# KiCad board Duet3_MB_6HC.kicad_pcb (continued)
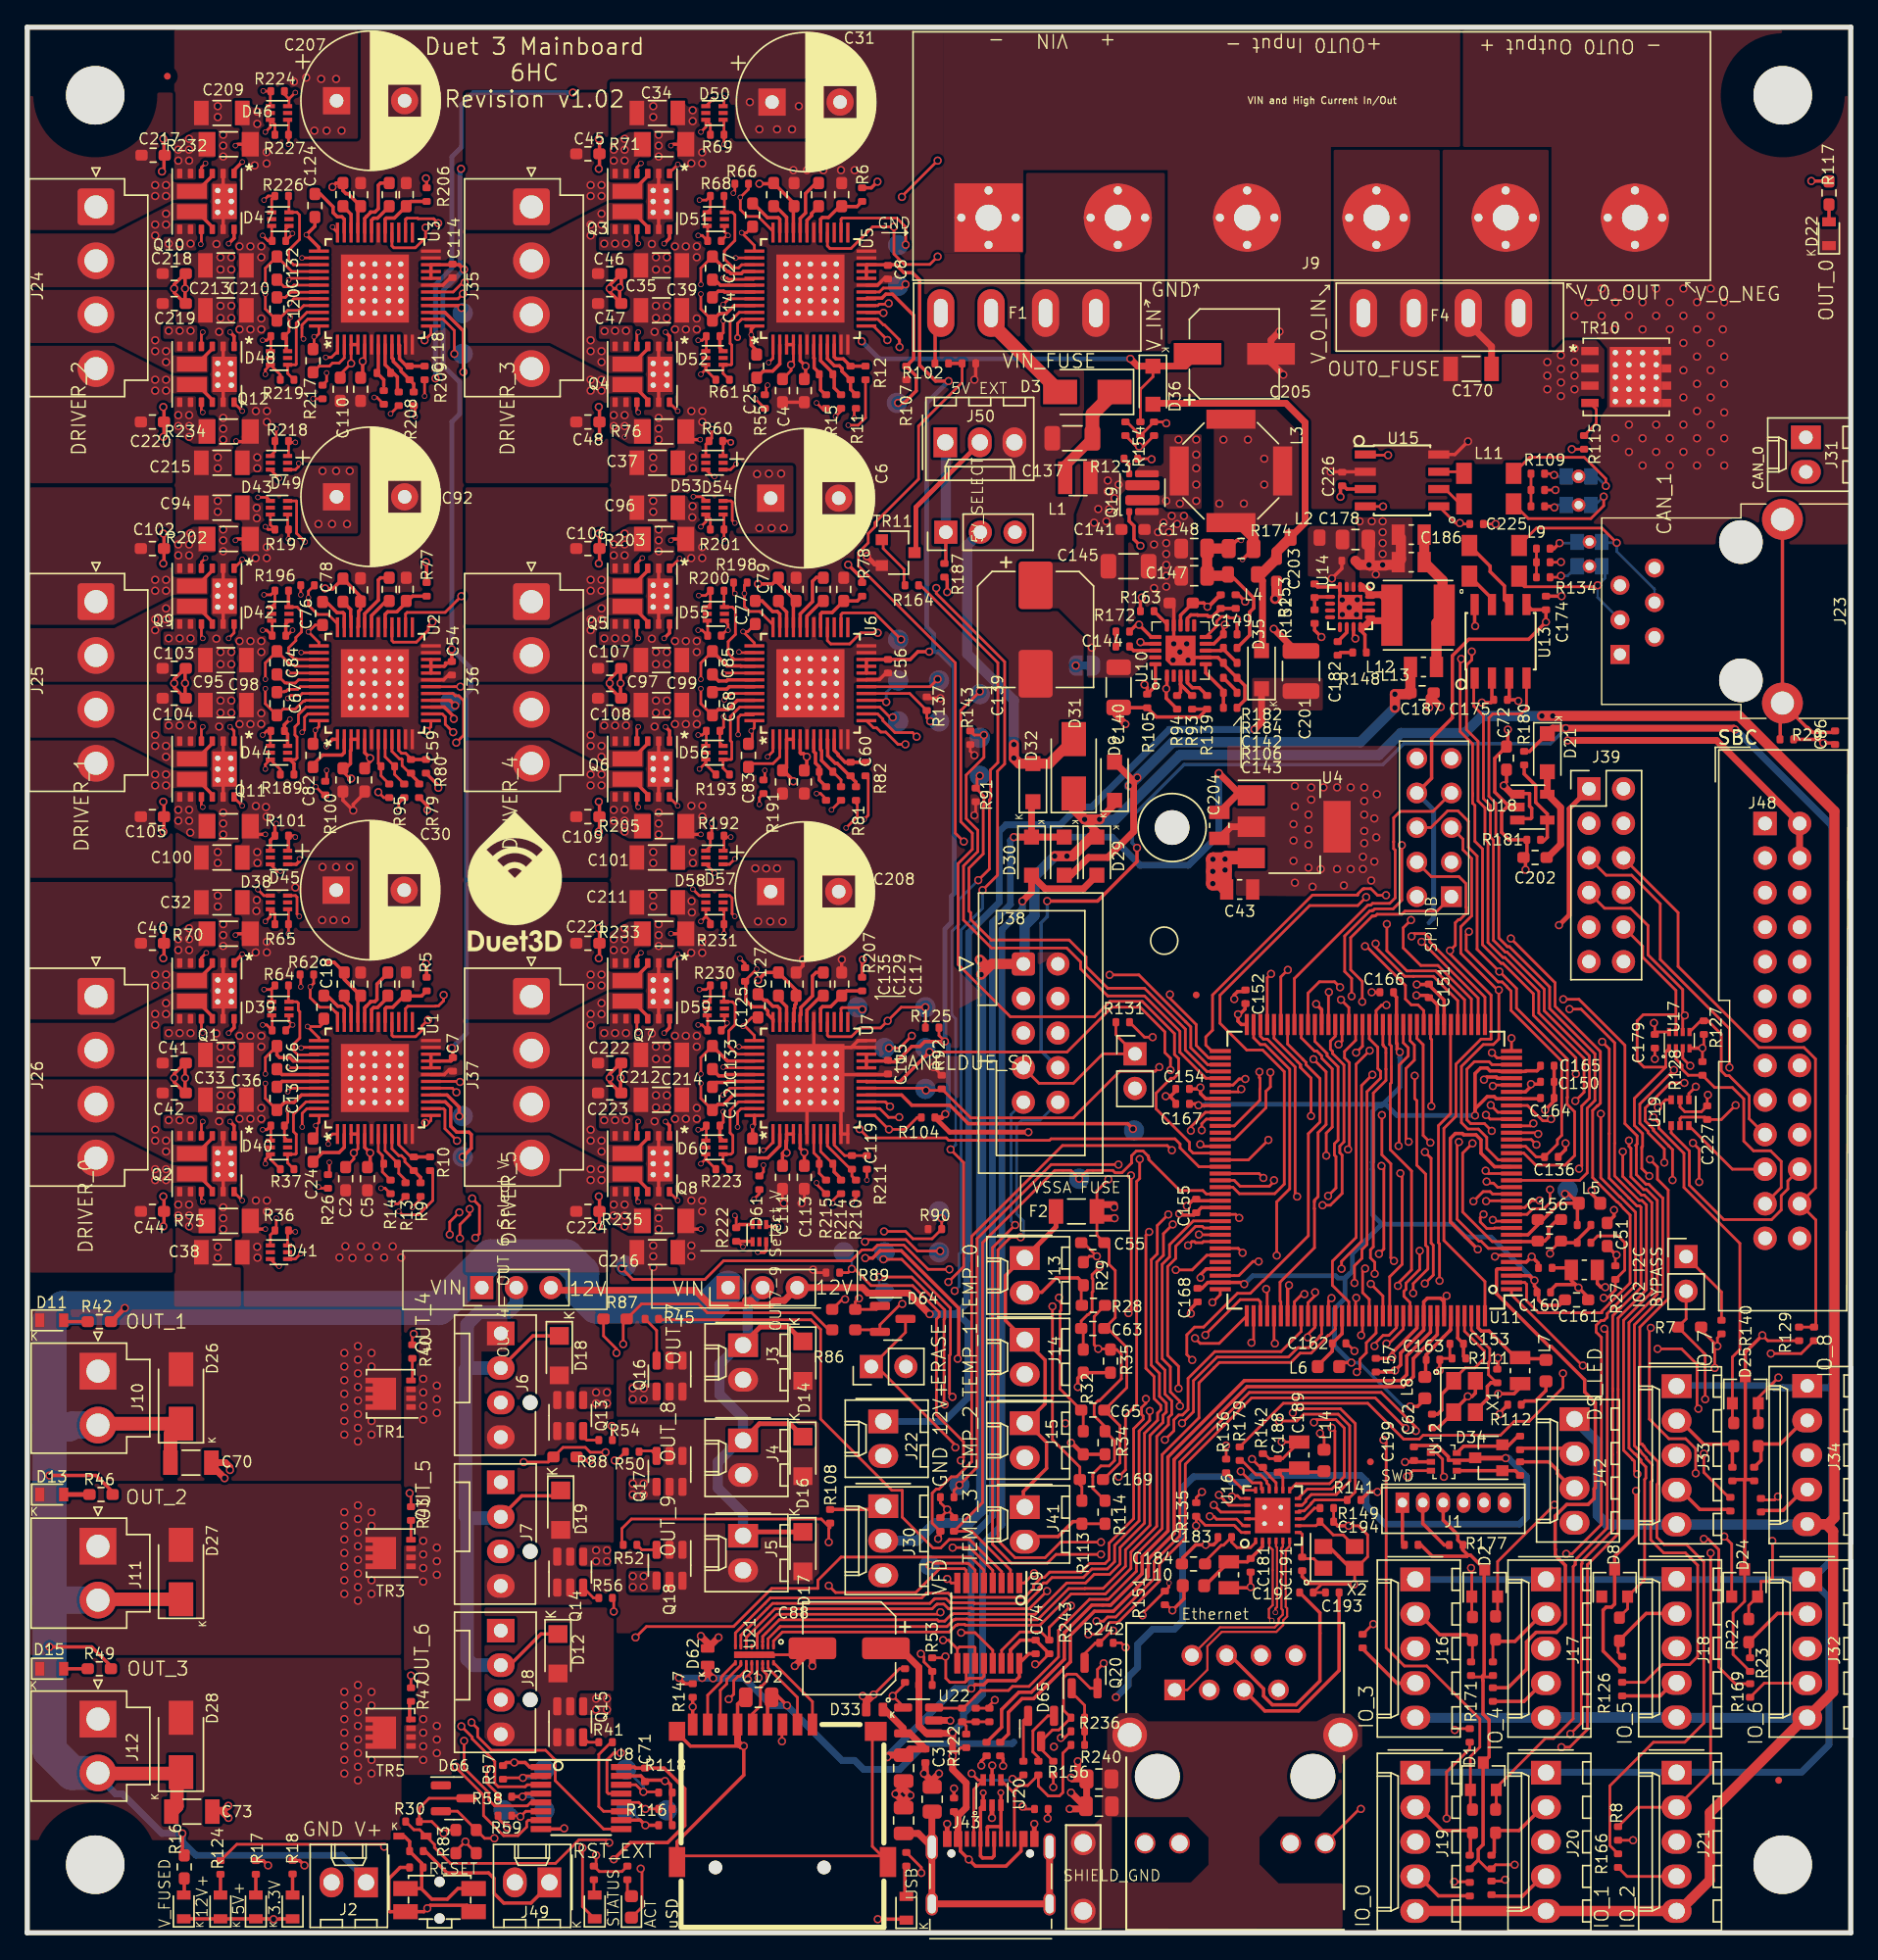
[diagram p0: board, top side]
## Routing (per net, layer and track width the routed paths; a pad name or vN(x,y) marks a point on that pad's centre or on a via; arc(x,y) is an arc through that point) (continued)
/Stepper Driver & Endstops/D2_LB2: length 7
  Top w0.2: R219.1 19.13,114.56 D48.4 19.72,115.2 19.77,115.25 19.77,118.27 20.55,119.05 U3.46
/Stepper Driver & Endstops/D2_LBG1: length 10.5
  Top w0.2: D49.1 18.2,108.84 R218.2 18.3,109.7 v2(18.3,110.5) ; Q12.9 12.8,111.8 v2(12.9,111.7)
  In1.Cu w0.2: v2(12.9,111.7) 13.7,112.5 17.9,112.5 18.3,112.1 v2(18.3,110.5)
/Stepper Driver & Endstops/D2_LBG2: length 9.2
  Top w0.2: v2(12.9,117.6) 12.8,117.5 Q12.4 ; R219.2 18.6,114.47 D48.3 17.5,114.84 v2(17.5,114.5)
  In1.Cu w0.2: v2(17.5,114.5) 15.4,116.6 13.9,116.6 v2(12.9,117.6)
/Stepper Driver & Endstops/D2_SRAG: length 27.9
  Top w0.2: v2(25.5,112.8) 25.7,112.8 R213.2 ; NT12.1 15.4,131.4 v2(15.3,131.3)
  In1.Cu w0.2: v2(25.5,112.8) 24.85,113.45 23.95,113.45 23,114.4 23,116.72 20.2,119.51 20.2,121.75 19.69,122.27 19.69,123.46 19.99,123.76 21.17,123.76 21.45,124.04 21.45,126.02 18.38,129.09 16.07,129.09 15.2,129.96 15.2,131.2 v2(15.3,131.3)
/Stepper Driver & Endstops/D2_SRAH: length 3.9
  Top w0.25: 27.2,113.2 27.2,114.3 26.3,115.2 U3.8
/Stepper Driver & Endstops/D2_SRAL: length 3.3
  Top w0.25: U3.7 25.8,114.7 C122.1 26.2,114.1 26.2,113.65
/Stepper Driver & Endstops/D2_SRAT: length 33
  Top w0.2: v2(26.7,111.6) R212.2
  In1.Cu w0.2: v2(26.7,111.6) 24.98,111.6 22.58,114 22.58,116.57 19.78,119.37 19.78,121.61 19.26,122.13 19.26,123.62 19.8,124.16 20.76,124.16 21.05,124.45 21.05,125.5 17.95,128.6 16.08,128.6 15.99,128.69 15.67,128.69 15.36,129 12.89,129 12.57,129.32 12.57,131.13 v1(11.9,131.8)
  vias: v1(10.4,124.1) v1(11.1,131) v1(11.1,130.2) v1(11.2,124.1) v1(11.9,131) v1(11.9,130.2) v1(12,124.1)
/Stepper Driver & Endstops/D2_SRBG: length 20.6
  Top w0.2: v2(29.2,112.9) R209.2
  In1.Cu w0.2: v2(15.35,109.6) 17.45,109.6 18.01,109.04 18.01,106.56 18.22,106.34 19.05,106.34 22.21,109.5 25.8,109.5 v2(29.2,112.9)
/Stepper Driver & Endstops/D2_SRBH: length 4.1
  Top w0.25: U3.9 26.8,115.7 26.91,115.6 26.91,115.44 27.48,114.87 27.48,114.72 28.4,113.8 R208.1
/Stepper Driver & Endstops/D2_SRBL: length 3.2
  Top w0.25: U3.10 27.36,116.63 27.36,115.63 27.89,115.1 29.3,115.1
/Stepper Driver & Endstops/D2_SRBT: length 22.8
  Top w0.2: R208.2 28.5,112.1 v2(28.5,111.4)
  In1.Cu w0.2: v1(11.9,109.9) 12.77,109.03 17.21,109.03 17.58,108.66 17.58,106.3 17.97,105.91 19.21,105.91 22.35,109.05 26.15,109.05 v2(28.5,111.4)
  vias: v1(10.4,117.7) v1(11.1,111.5) v1(11.1,110.7) v1(11.2,117.7) v1(11.9,111.5) v1(11.9,110.7) v1(12,117.7)
/Stepper Driver & Endstops/D2_VCC: length 4.6
  Top w0.25: U3.29 26.3,125.9 26.38,125.98 26.98,125.98 28.2,127.2 R206.2
/Stepper Driver & Endstops/D2_VCP: length 2.2
  Top w0.25: U3.34 23.8,126.25 C126.1
/Stepper Driver & Endstops/D3_5VOUT: length 19.8
  Top w0.25: U5.5 56.8,115.5 v1(57.2,115.1) 57.2,114.25 C6.2 ; R6.1 62.03,128.2 v1(62.48,128.65)
  In1.Cu w0.25: v1(57.2,115.1) 60.81,118.71 60.81,126.98 v1(62.48,128.65)
/Stepper Driver & Endstops/D3__SRBL: length 3.5
  Top w0.25: U5.10 59.3,115.77 59.44,115.63 59.97,115.63 C12.1 R12.1
/Stepper Driver & Endstops/D3_CA1: length 3.2
  Top w0.25: 50.35,121.43 50.56,121.43 50.93,121.05 53.43,121.05 U5.42
/Stepper Driver & Endstops/D3_CA2: length 3.5
  Top w0.25: U5.35 55.3,125.9 55.19,126.01 54.4,126.01 53.36,127.05 C19.2
/Stepper Driver & Endstops/D3_CB1: length 3.5
  Top w0.25: C25.2 54.09,114.74 54.78,114.74 55.3,115.26 U5.2
/Stepper Driver & Endstops/D3_CB2: length 3.3
  Top w0.25: 50.35,120.18 50.77,120.6 51.18,120.6 51.23,120.55 U5.43
/Stepper Driver & Endstops/D3_CPI: length 2.3
  Top w0.25: U5.31 57.3,125.82 57.64,126.16 57.64,126.32 58.15,126.83
/Stepper Driver & Endstops/D3_CPO: length 4.3
  Top w0.25: 58.15,128.57 57.98,128.57 57.19,127.78 57.19,126.35 56.8,125.96 U5.32
/Stepper Driver & Endstops/D3_HA1: length 7.5
  Top w0.2: v2(51.15,121.57) 51.43,121.57 51.53,121.48 53.36,121.48 U5.41 ; D51.4 51.23,124.97 v2(51.5,124.7) 51.4,124.7 R67.1
  In1.Cu w0.2: v2(51.15,121.57) 50.71,122.01 50.71,123.91 v2(51.5,124.7)
/Stepper Driver & Endstops/D3_HA2: length 14.1
  Top w0.2: 53,128.4 53,128.1 v2(52.4,127.5) 52.4,126.6 52.9,126.1 53.71,126.1 54.8,125.01 U5.36 ; D50.6 51.2,134.26 v2(51.2,134.8)
  In1.Cu w0.2: v2(52.4,127.5) 53,128.1 53,133 v2(51.2,134.8)
/Stepper Driver & Endstops/D3_HAG1: length 5.9
  Top w0.2: D51.3 50,125.36 R67.2 49.6,124.7 v2(49.3,124.7)
  Top w0.25: Q3.12 47.2,124.5 v2(46.8,124.1)
  In1.Cu w0.2: v2(46.8,124.1) 47.4,124.7 v2(49.3,124.7)
/Stepper Driver & Endstops/D3_HAG2: length 14
  Top w0.2: D50.1 50.36,134.7 v2(50.4,134.7) ; 52,128.4 52,127.92 v2(51.89,127.81) ; v2(47.81,129.92) 47.2,129.31 Q3.1
  In1.Cu w0.2: v2(47.81,129.92) 49.37,131.48 49.68,131.48 50.4,132.2 50.4,132.8 ; v2(51.89,127.81) 51.89,131.42 50.51,132.8 50.4,132.8 ; 50.4,132.8 v2(50.4,134.7)
/Stepper Driver & Endstops/D3_HB1: length 11.9
  Top w0.2: v2(54.48,115.36) 54.8,115.68 U5.1 ; v2(52.09,107.91) 51.69,107.5 D53.4 ; v2(54.4,113.7) 54.3,113.6 54.3,113
  In1.Cu w0.2: v2(52.09,107.91) 54.6,110.41 54.6,113.5 v2(54.4,113.7) 54.48,113.78 v2(54.48,115.36)
/Stepper Driver & Endstops/D3_HB2: length 6.1
  Top w0.2: v2(51.14,119.63) 51.56,120.05 U5.44 ; v2(51.15,118.44) 51.15,117.55 R38.1
  Top w0.25: D52.6 50.9,116.44 R38.1
  In1.Cu w0.2: v2(51.15,118.44) 51.14,118.45 v2(51.14,119.63)
/Stepper Driver & Endstops/D3_HBG1: length 16.5
  Top w0.2: v2(47.8,111.8) 47.2,112.4 Q4.12 ; v2(50.5,106.98) 50.39,106.98 D53.3 ; R55.2 v2(53.5,112.7)
  In1.Cu w0.2: 53.3,109.8 53.5,110.01 v2(53.5,112.7) ; 53.3,109.8 53.4,109.9 ; 53.3,109.8 53.29,109.8 50.5,107.02 v2(50.5,106.98) 50.5,109.59 49.8,110.29 48.56,110.29 47.8,111.05 v2(47.8,111.8)
/Stepper Driver & Endstops/D3_HBG2: length 5.7
  Top w0.2: D52.1 49.9,116.24 R38.2 49.6,117 v2(49.3,117)
  Top w0.25: v2(46.9,117.6) 47.2,117.3 Q4.1
  In1.Cu w0.2: v2(46.9,117.6) 47.5,117 v2(49.3,117)
/Stepper Driver & Endstops/D3_LA1: length 8.2
  Top w0.2: R68.1 51.23,127.56 D51.6 51.82,126.4 52,126.22 52,124.33 51.23,123.56 51.23,122.98 51.88,122.32 52.28,122.32 52.5,122.55 U5.39
/Stepper Driver & Endstops/D3_LA2: length 14.4
  Top w0.2: U5.38 52.06,123.05 v2(52.06,123.05) ; D50.4 51.2,133.13 R69.1 v2(51.2,131.4)
  In1.Cu w0.2: v2(51.2,131.4) 51.32,131.28 51.32,127.48 51.83,126.96 52.54,126.96 53.92,125.58 53.92,124.07 52.91,123.05 v2(52.06,123.05)
/Stepper Driver & Endstops/D3_LAG1: length 9.1
  Top w0.2: v2(49.4,127.3) 49.9,127.3 R68.2 50.2,126.64 D51.1 ; v2(44.9,124.1) 44.8,124.2 Q3.9
  In1.Cu w0.2: v2(44.9,124.1) 45.9,125.1 47.2,125.1 v2(49.4,127.3)
/Stepper Driver & Endstops/D3_LAG2: length 10
  Top w0.2: Q3.4 44.8,129.7 v2(45.1,130) ; R69.2 50.2,132.87 D50.3 49.86,132.67 v2(49.5,132.3)
  In1.Cu w0.2: v2(45.1,130) 45.1,132 45.8,132.7 47.2,132.7 47.6,132.3 v2(49.5,132.3)
/Stepper Driver & Endstops/D3_LB1: length 12.1
  Top w0.2: v3(52.2,117.2) 52.2,118.25 52.5,118.55 U5.47 ; v3(51.7,109.5) 51.6,109.6 R60.1 51.14,109.56 D53.6
  In1.Cu w0.2: v3(52.2,117.2) 52.2,110 v3(51.7,109.5)
/Stepper Driver & Endstops/D3_LB2: length 7.2
  Top w0.2: R61.1 51.14,114.56 D52.4 51.72,115.2 51.77,115.25 51.77,116.65 51.65,116.77 51.65,118.38 52.32,119.05 U5.46
/Stepper Driver & Endstops/D3_LBG1: length 10.4
  Top w0.2: v2(50.3,110.5) 50.3,109.8 R60.2 49.86,109.37 D53.1 ; v2(44.9,111.7) 44.8,111.8 Q4.9
  In1.Cu w0.2: v2(44.9,111.7) 45.85,111.7 46.55,112.4 50,112.4 50.3,112.1 v2(50.3,110.5)
/Stepper Driver & Endstops/D3_LBG2: length 9.2
  Top w0.2: Q4.4 44.8,117.5 v2(44.9,117.6) ; v2(49.5,114.5) 49.86,114.87 D52.3 49.86,114.84 R61.2
  In1.Cu w0.2: v2(49.5,114.5) 47.4,116.6 45.9,116.6 v2(44.9,117.6)
/Stepper Driver & Endstops/D3_SRAG: length 29.1
  Top w0.2: v2(58,112.4) 58.45,111.95 58.7,111.95 ; NT6.1 47.4,131.4 v2(47.3,131.3)
  In1.Cu w0.2: v2(47.3,131.3) 47.13,131.13 47.13,129.72 47.43,129.42 47.66,129.42 48.27,128.81 50.22,128.81 50.92,128.11 50.92,127.31 51.76,126.48 52.44,126.48 53.5,125.42 53.5,124.21 52.85,123.56 51.86,123.56 51.56,123.25 51.56,122.76 52.36,121.95 52.36,119.6 55.53,116.44 55.53,113.71 56.84,112.4 v2(58,112.4)
/Stepper Driver & Endstops/D3_SRAH: length 4.3
  Top w0.25: U5.8 58.3,115.5 59.3,114.5 59.3,113.5 R15.1
/Stepper Driver & Endstops/D3_SRAL: length 4.1
  Top w0.25: 58.7,112.95 58.3,113.35 58.3,114.5 57.83,114.97 57.83,115.68 57.8,115.7 U5.7
/Stepper Driver & Endstops/D3_SRAT: length 34.3
  Top w0.2: 59.8,111.9 59.8,111.8 v2(59.4,111.4)
  In1.Cu w0.2: v2(59.4,111.4) 59.3,111.3 57.28,111.3 55.05,113.53 55.05,116.35 51.91,119.49 51.91,121.84 51.11,122.64 51.11,123.53 51.58,124 52.63,124 53.08,124.45 53.08,125.27 52.31,126.03 51.64,126.03 50.48,127.19 50.48,127.96 50.03,128.41 48.11,128.41 47.52,129 45.18,129 44.56,129.62 44.56,131.6 44.36,131.8 v1(43.9,131.8)
  vias: v1(42.4,124.1) v1(43.1,131) v1(43.1,130.2) v1(43.2,124.1) v1(43.9,131) v1(43.9,130.2) v1(44,124.1)
/Stepper Driver & Endstops/D3_SRBG: length 19.7
  Top w0.2: v2(60.33,110.76) 61.06,110.76 61.6,111.3 R12.2
  In1.Cu w0.2: v2(60.33,110.76) 55.66,110.76 51.36,106.46 50.27,106.46 49.98,106.75 49.98,109.17 v2(49.45,109.7)
/Stepper Driver & Endstops/D3_SRBH: length 4.8
  Top w0.25: R11.1 60.5,113.4 C12.2 59.87,114.73 59.87,114.93 59.68,115.12 59.31,115.12 58.8,115.64 U5.9
/Stepper Driver & Endstops/D3_SRBT: length 23.3
  Top w0.2: R11.2 60.77,111.87 v2(60.77,111.28)
  In1.Cu w0.2: v2(43.9,109.9) 44.73,109.07 49.45,109.07 49.58,108.94 49.58,106.56 50.09,106.05 51.51,106.05 55.68,110.22 60.49,110.22 60.83,110.55 60.83,111.22 v2(60.77,111.28)
  vias: v1(42.42,117.68) v1(43.1,111.5) v1(43.1,110.7) v1(43.2,117.7) v1(43.9,111.5) v1(43.9,110.7) v1(44,117.7)
/Stepper Driver & Endstops/D3_VCC: length 4.6
  Top w0.25: U5.29 58.3,125.9 58.42,126.02 58.88,126.02 59.69,126.83 60.97,126.83 R6.2
/Stepper Driver & Endstops/D3_VCP: length 2.4
  Top w0.25: 54.85,126.83 55.02,126.83 55.8,126.04 U5.34
/Stepper Driver & Endstops/D4_5VOUT: length 20.6
  Top w0.25: U6.5 56.8,86.69 56.86,86.63 57.05,86.63 v1(57.28,86.4) 57.28,85.58 C53.2 ; v1(60.33,100.51) 61.35,99.49 R78.1
  In1.Cu w0.25: v1(60.33,100.51) 60.33,88.1 58.63,86.4 v1(57.28,86.4)
/Stepper Driver & Endstops/D4__HAG1: length 5.9
  Top w0.2: D55.3 50,96.37 R199.2 49.6,95.7 v2(49.3,95.7)
  Top w0.25: Q5.12 47.2,95.5 v2(46.8,95.1)
  In1.Cu w0.2: v2(46.8,95.1) 47.4,95.7 v2(49.3,95.7)
/Stepper Driver & Endstops/D4_CA1: length 3.3
  Top w0.25: U6.42 51.47,92.05 51.39,91.97 50.81,91.97 50.35,92.43
/Stepper Driver & Endstops/D4_CA2: length 3.2
  Top w0.25: U6.35 55.3,96.9 55.12,97.07 54.78,97.07 54,97.85 C77.2
/Stepper Driver & Endstops/D4_CB1: length 3.9
  Top w0.2: C83.2 53.25,85.9 54.81,85.9 55.3,86.39 U6.2
/Stepper Driver & Endstops/D4_CB2: length 3.2
  Top w0.25: 50.35,91.18 50.55,91.38 51.41,91.38 51.59,91.55 U6.43
/Stepper Driver & Endstops/D4_CPI: length 2.5
  Top w0.25: U6.31 57.3,96.74 58.41,97.85 C81.2
/Stepper Driver & Endstops/D4_CPO: length 4.3
  Top w0.25: U6.32 56.8,96.9 57.7,97.8 57.7,99.29 57.98,99.57 58.15,99.57
/Stepper Driver & Endstops/D4_HA1: length 7.4
  Top w0.2: D55.4 51.5,96.13 v2(51.5,95.7) 51.4,95.7 R199.1 ; v2(51.17,92.49) 51.23,92.55 U6.41
  In1.Cu w0.2: v2(51.5,95.7) 50.78,94.98 50.78,92.88 v2(51.17,92.49)
/Stepper Driver & Endstops/D4_HA2: length 12.5
  Top w0.2: D54.6 51.72,105.2 51.81,105.11 51.81,103.76 v2(52,103.57) ; R198.1 52.7,99 v2(52.7,98.4) 52.7,97.45 53.07,97.07 53.83,97.07 54.8,96.1 U6.36
  In1.Cu w0.2: v2(52,103.57) 52.7,102.87 v2(52.7,98.4)
/Stepper Driver & Endstops/D4_HAG2: length 16.6
  Top w0.2: v2(52,98.4) 51.9,98.5 R198.2 ; D54.1 49.56,105.51 v2(48.95,105.51) ; 47.22,100.25 v2(47.94,100.97)
  In1.Cu w0.2: v2(47.94,100.97) 47.94,101.31 49.11,102.48 49.73,102.48 50,102.75 50,104.19 49.49,104.69 ; 49.49,104.69 49.61,104.69 52,102.31 v2(52,98.4) ; 49.49,104.69 49.49,105.06 49.04,105.51 v2(48.95,105.51)
/Stepper Driver & Endstops/D4_HB1: length 11.9
  Top w0.2: v2(54.2,85.4) 54.2,84.8 R191.1 ; v2(52,78.9) 51.6,78.5 D57.4 ; v2(54.4,86.4) 54.8,86.8 U6.1
  In1.Cu w0.2: v2(52,78.9) 54.4,81.3 54.4,85.2 v2(54.2,85.4) 54.4,85.6 v2(54.4,86.4)
/Stepper Driver & Endstops/D4_HB2: length 6
  Top w0.2: D56.6 50.9,87.44 R190.1 51.17,88.57 v2(51.17,89.34) ; v2(51.22,90.58) 51.69,91.05 U6.44
  In1.Cu w0.2: v2(51.22,90.58) 51.22,89.39 v2(51.17,89.34)
/Stepper Driver & Endstops/D4_HBG1: length 15.5
  Top w0.2: R191.2 53.8,83.4 v2(53.8,82.9) ; v2(47.8,82.8) 47.2,83.4 Q6.12 ; D57.3 50.5,77.87 v2(50.5,77.86)
  In1.Cu w0.2: v2(47.8,82.8) 49.31,81.29 49.8,81.29 50.5,80.59 v2(50.5,77.86) 50.5,78.11 53.8,81.41 v2(53.8,82.9)
/Stepper Driver & Endstops/D4_HBG2: length 5.7
  Top w0.2: D56.1 49.9,87.24 R190.2 49.6,88 v2(49.3,88)
  Top w0.25: Q6.1 47.2,88.3 v2(46.9,88.6)
  In1.Cu w0.2: v2(49.3,88) 47.5,88 v2(46.9,88.6)
/Stepper Driver & Endstops/D4_LA1: length 7.6
  Top w0.2: U6.39 51.95,93.55 51.51,93.99 51.51,94.86 52.04,95.39 52.04,97.18 51.82,97.4 D55.6 51.2,97.44 R200.1
/Stepper Driver & Endstops/D4_LA2: length 14.2
  Top w0.2: v2(51.2,102.4) R201.1 51.2,104.13 D54.4 ; U6.38 52.35,94.05 v2(52.3,94.1)
  In1.Cu w0.2: v2(51.2,102.4) 51.31,102.29 51.31,98.33 51.81,97.83 52.42,97.83 54.11,96.14 54.11,94.85 53.35,94.1 v2(52.3,94.1)
/Stepper Driver & Endstops/D4_LAG1: length 9.1
  Top w0.2: Q5.9 44.8,95.2 v2(44.9,95.1) ; v2(49.35,98.25) 49.85,98.25 R200.2 50.2,97.63 D55.1
  In1.Cu w0.2: v2(44.9,95.1) 45.9,96.1 47.2,96.1 v2(49.35,98.25)
/Stepper Driver & Endstops/D4_LAG2: length 10
  Top w0.2: Q5.4 44.8,100.6 v2(45.2,101) ; R201.2 50.2,103.87 D54.3 49.86,103.66 v2(49.5,103.3)
  In1.Cu w0.2: v2(45.2,101) 45.2,103 45.9,103.7 47.5,103.7 47.9,103.3 v2(49.5,103.3)
/Stepper Driver & Endstops/D4_LB1: length 12
  Top w0.2: U6.47 53.36,89.47 52.42,89.47 52.24,89.29 v2(52.24,88.03) ; v2(51.7,80.5) 51.3,80.5 R192.1 51.2,79.56 D57.6
  In1.Cu w0.2: v2(52.24,88.03) 52.24,81.04 v2(51.7,80.5)
/Stepper Driver & Endstops/D4_LB2: length 7.2
  Top w0.2: R193.1 51.14,85.56 D56.4 51.72,86.2 51.77,86.25 51.77,87.48 51.67,87.58 51.67,89.36 52.36,90.05 U6.46
/Stepper Driver & Endstops/D4_LBG1: length 10.5
  Top w0.2: Q6.9 44.8,82.8 v2(44.9,82.7) ; v2(50.3,81.5) 50.3,80.7 R192.2 50.2,79.84 D57.1
  In1.Cu w0.2: v2(50.3,81.5) 50.3,83.1 49.9,83.5 45.7,83.5 v2(44.9,82.7)
/Stepper Driver & Endstops/D4_LBG2: length 9.2
  Top w0.2: R193.2 49.86,85.84 D56.3 49.86,85.97 v2(49.4,85.5) ; v2(44.9,88.6) 44.8,88.5 Q6.4
  In1.Cu w0.2: v2(44.9,88.6) 46,87.5 47.4,87.5 v2(49.4,85.5)
/Stepper Driver & Endstops/D4_SRAG: length 29.2
  Top w0.2: v2(58,83.7) 58.3,83.7 58.7,83.3 ; v2(47.3,102.3) 47.4,102.4 NT9.1
  In1.Cu w0.2: v2(47.3,102.3) 47.3,100.83 47.95,100.18 49.87,100.18 50.91,99.14 50.91,98.16 51.64,97.43 52.25,97.43 53.71,95.97 53.71,95.02 53.33,94.64 51.91,94.64 51.71,94.44 51.71,93.34 52.14,92.91 52.14,91 55.4,87.73 55.4,84.3 56,83.7 v2(58,83.7)
/Stepper Driver & Endstops/D4_SRAH: length 4.1
  Top w0.2: R97.1 59.8,84.7 C75.2
  Top w0.25: U6.8 58.3,86.92 58.37,86.84 58.37,86.13 C75.2
/Stepper Driver & Endstops/D4_SRAL: length 3.9
  Top w0.25: R98.1 58.2,84.7 58.2,85.66 57.92,85.94 57.92,86.66 57.8,86.78 U6.7
/Stepper Driver & Endstops/D4_SRAT: length 34.5
  Top w0.2: R97.2 v2(59.1,82.5)
  In1.Cu w0.2: v1(43.9,102.8) 44.2,102.8 44.7,102.3 44.7,100.31 45.01,100 47.56,100 47.78,99.78 49.36,99.78 50.5,98.64 50.5,97.79 51.38,96.91 52.07,96.91 53.17,95.81 53.17,95.43 52.78,95.04 51.71,95.04 51.21,94.54 51.21,93.27 51.74,92.74 51.74,90.83 55,87.57 55,83.8 56.3,82.5 v2(59.1,82.5)
  vias: v1(42.4,95.1) v1(43.1,102) v1(43.1,101.2) v1(43.2,95.1) v1(43.9,102) v1(43.9,101.2) v1(44,95.1)
/Stepper Driver & Endstops/D4_SRBG: length 20.2
  Top w0.2: v2(61.5,81.8) 61.8,82.1 61.8,84.8 R82.2 ; NT10.1 v2(49.5,80.7)
  In1.Cu w0.2: v2(49.5,80.7) 49.94,80.26 49.94,77.66 50.26,77.34 51.18,77.34 55.6,81.76 61.46,81.76 v2(61.5,81.8)
/Stepper Driver & Endstops/D4_SRBH: length 4.4
  Top w0.25: U6.9 58.82,87.66 58.82,86.48 59.38,85.92 59.51,85.92 60.9,84.54 R81.1
/Stepper Driver & Endstops/D4_SRBL: length 3.5
  Top w0.25: U6.10 59.3,86.87 59.6,86.57 59.6,86.5 60.1,86 R82.1
/Stepper Driver & Endstops/D4_SRBT: length 23.6
  Top w0.2: v2(60.17,81.17) 61,82 61,82.9 60.7,83.2
  In1.Cu w0.2: v1(43.9,80.9) 44.75,80.05 49.29,80.05 49.54,79.8 49.54,77.34 49.96,76.92 51.37,76.92 55.62,81.17 v2(60.17,81.17)
  vias: v1(42.4,88.7) v1(43.1,82.5) v1(43.1,81.7) v1(43.2,88.7) v1(43.9,82.5) v1(43.9,81.7) v1(44,88.7)
/Stepper Driver & Endstops/D4_VCC: length 4.6
  Top w0.25: R78.2 61,97.85 C58.2 59.15,97 58.4,97 58.3,96.9 U6.29
/Stepper Driver & Endstops/D4_VCP: length 2.2
  Top w0.25: U6.34 55.8,97.04 55.2,97.64 C79.1
/Stepper Driver & Endstops/D5_5VOUT: length 19.7
  Top w0.25: v1(61.4,71.5) 61.35,71.45 R207.1 ; U7.5 56.8,57.63 v1(57.1,57.33) C113.2
  In1.Cu w0.25: v1(61.4,71.5) 60.51,70.61 60.51,60.74 v1(57.1,57.33)
/Stepper Driver & Endstops/D5_CA1: length 3.3
  Top w0.25: U7.42 51.38,63.05 51.29,62.96 50.82,62.96 50.35,63.43
/Stepper Driver & Endstops/D5_CA2: length 3
  Top w0.25: C125.2 54.13,68.52 54.34,68.52 54.78,68.07 55.12,68.07 55.3,67.9 U7.35
/Stepper Driver & Endstops/D5_CB1: length 3.4
  Top w0.25: C131.2 53.57,56.92 54.42,56.92 55.3,57.81 U7.2
/Stepper Driver & Endstops/D5_CB2: length 3.2
  Top w0.25: U7.43 51.49,62.55 51.41,62.47 50.65,62.47 50.35,62.18
/Stepper Driver & Endstops/D5_CPI: length 2.5
  Top w0.25: U7.31 57.3,67.79 58.36,68.85 C129.2
/Stepper Driver & Endstops/D5_CPO: length 4.7
  Top w0.25: C129.1 57.96,70.55 57.7,70.29 57.7,68.83 56.85,67.98 56.85,67.45 56.8,67.4 U7.32
/Stepper Driver & Endstops/D5_HA1: length 7.3
  Top w0.2: D59.4 51.23,67.03 v2(51.43,66.84) 51.43,66.73 R229.1 ; v2(51.15,63.6) 51.2,63.55 U7.41
  In1.Cu w0.2: v2(51.43,66.84) 50.78,66.19 50.78,63.97 v2(51.15,63.6)
/Stepper Driver & Endstops/D5_HA2: length 12.4
  Top w0.2: R228.1 52.75,69.95 v2(53.6,70.8) ; D58.6 51.62,76.2 51.8,76.02 51.8,74.87 v2(51.99,74.68)
  Top w0.25: U7.36 54.8,67.1 54.43,67.47 54.43,67.72 54.12,68.03 53.28,68.03 52.8,68.51 52.8,69.93 52.71,70.01 52.75,70.01
  In1.Cu w0.2: v2(53.6,70.8) 53.6,72.57 51.99,74.18 v2(51.99,74.68)
/Stepper Driver & Endstops/D5_HAG1: length 5.9
  Top w0.2: D59.3 50,67.37 R229.2 49.6,66.7 v2(49.3,66.7)
  Top w0.25: Q7.12 47.2,66.5 v2(46.8,66.1)
  In1.Cu w0.2: v2(49.3,66.7) 47.4,66.7 v2(46.8,66.1)
/Stepper Driver & Endstops/D5_HAG2: length 15.7
  Top w0.2: 52.75,70.79 52.75,71.21 v2(52.38,71.58) ; v2(48.91,76.67) 49.38,76.2 D58.1
  Top w0.25: v2(47.8,71.9) 47.2,71.3 Q7.1
  In1.Cu w0.2: v2(47.8,71.9) 47.81,71.9 50,74.09 50,75.58 v2(48.91,76.67) 52.38,73.2 v2(52.38,71.58)
/Stepper Driver & Endstops/D5_HB1: length 9.5
  Top w0.2: v2(54.09,57.5) 54.22,57.5 54.8,58.07 U7.1 ; v2(54.1,56.4) 54.1,55.9 R221.1 ; D61.4 54.45,51.89 v2(55.21,51.89)
  In1.Cu w0.2: v2(54.09,57.5) 54.1,57.49 v2(54.1,56.4) 54.1,53 v2(55.21,51.89)
/Stepper Driver & Endstops/D5_HB2: length 6.1
  Top w0.2: v2(51.14,61.56) 51.63,62.05 U7.44 ; v2(51.15,60.33) 51.15,59.55 R220.1
  Top w0.25: R220.1 50.9,58.44 D60.6
  In1.Cu w0.2: v2(51.14,61.56) 51.14,60.34 v2(51.15,60.33)
/Stepper Driver & Endstops/D5_HBG1: length 14.6
  Top w0.2: R221.2 53.8,54.3 v2(53.4,53.9) ; v2(47.8,53.8) 47.2,54.4 Q8.12
  Top w0.25: v2(53.68,50) 54.17,50 54.3,50.13 54.3,50.76
  In1.Cu w0.2: v2(53.4,53.9) 53.4,50.28 v2(53.68,50) 53.68,49.99 53.59,49.9 52.04,49.9 49.7,52.23 49.37,52.23 v2(47.8,53.8)
/Stepper Driver & Endstops/D5_HBG2: length 5.7
  Top w0.2: v2(49.3,59) 49.6,59 R220.2 49.9,58.24 D60.1
  Top w0.25: v2(46.9,59.6) 47.2,59.3 Q8.1
  In1.Cu w0.2: v2(49.3,59) 47.5,59 v2(46.9,59.6)
/Stepper Driver & Endstops/D5_LA1: length 7.5
  Top w0.2: U7.39 52.14,64.55 51.55,65.14 51.55,66.26 52.02,66.73 52.02,68.2 51.82,68.4 D59.6 51.2,68.44 R230.1
/Stepper Driver & Endstops/D5_LA2: length 13.6
  Top w0.2: v2(51.2,73.4) 51.2,75.03 51.14,75.1 ; U7.38 52.35,65.05 v2(52.3,65.1)
  In1.Cu w0.2: v2(52.3,65.1) 53.26,65.1 53.97,65.81 53.97,67.78 51.2,70.55 v2(51.2,73.4)
/Stepper Driver & Endstops/D5_LAG1: length 9.1
  Top w0.2: D59.1 50.2,68.63 R230.2 49.9,69.3 v2(49.4,69.3) ; v2(44.9,66.1) 44.8,66.2 Q7.9
  In1.Cu w0.2: v2(49.4,69.3) 47.21,67.11 45.91,67.11 v2(44.9,66.1)
/Stepper Driver & Endstops/D5_LAG2: length 9.6
  Top w0.2: R231.2 50.2,74.33 49.86,74.66 ; 49.86,74.66 v2(49.5,74.3) ; 49.86,74.66 D58.3 ; v2(45.1,72) 44.8,71.7 Q7.4
  In1.Cu w0.2: v2(49.5,74.3) 47.9,74.3 47.5,74.7 45.7,74.7 45,74 45,72.1 v2(45.1,72)
/Stepper Driver & Endstops/D5_LB1: length 11.3
  Top w0.2: v2(52.2,59.2) 52.2,60.3 52.45,60.55 U7.47 ; v2(52,52.7) 52.1,52.6 R222.1
  Top w0.25: D61.6 52.33,52.03 R222.1
  In1.Cu w0.2: v2(52,52.7) 52.2,52.9 v2(52.2,59.2)
/Stepper Driver & Endstops/D5_LB2: length 7.3
  Top w0.2: U7.46 52.27,61.05 51.65,60.43 51.65,58.77 51.85,58.57 51.85,57.33 51.72,57.2 D60.4 51.14,56.56 R223.1
/Stepper Driver & Endstops/D5_LBG1: length 12.9
  Top w0.2: Q8.9 44.8,53.8 v2(44.9,53.7) ; 52.3,50.8 52.3,50.7 v2(52.6,50.4)
  Top w0.25: 53.3,50.76 53.27,50.8 52.3,50.8
  In1.Cu w0.2: v2(44.9,53.7) 45.7,54.5 50,54.5 50.3,54.2 50.3,52.7 v2(52.6,50.4)
/Stepper Driver & Endstops/D5_LBG2: length 9.2
  Top w0.2: R223.2 49.86,56.84 D60.3 49.86,56.87 v2(49.5,56.5) ; v2(44.9,59.6) 44.8,59.5 Q8.4
  In1.Cu w0.2: v2(44.9,59.6) 45.9,58.6 47.4,58.6 v2(49.5,56.5)
/Stepper Driver & Endstops/D5_SRAG: length 28.2
  Top w0.2: v2(58,55.1) 58,55 R215.2 ; v2(47.3,73.41) 47.31,73.4 NT11.1
  In1.Cu w0.2: v2(58,55.1) 56.93,55.1 55.16,56.87 55.16,60.9 51.72,64.33 51.72,65.3 52.04,65.62 53.22,65.62 53.57,65.97 53.57,67.62 50,71.19 47.83,71.19 47.62,71.4 47.57,71.4 47.28,71.68 47.28,73.39 v2(47.3,73.41)
/Stepper Driver & Endstops/D5_SRAH: length 3.9
  Top w0.2: 59.3,56.4 58.3,57.4 U7.8
  Top w0.25: 59.3,56.4 59.3,55.9 59.8,55.4
/Stepper Driver & Endstops/D5_SRAL: length 3.8
  Top w0.2: U7.7 57.8,57.3 58.2,56.9 58.2,55.8 R215.1
/Stepper Driver & Endstops/D5_SRAT: length 33.5
  Top w0.2: v2(59.2,53.6) 59.2,53.8 59.8,54.4
  In1.Cu w0.2: v2(59.2,53.6) 57.85,53.6 54.76,56.69 54.76,60.73 51.18,64.31 51.18,65.6 51.6,66.02 53.05,66.02 53.17,66.14 53.17,67.45 49.83,70.79 47.65,70.79 47.44,71 45.18,71 43.9,72.28 v1(43.9,73.8)
  vias: v1(42.4,66.1) v1(43.1,73) v1(43.1,72.2) v1(43.2,66.1) v1(43.9,73) v1(43.9,72.2) v1(44,66.1)
/Stepper Driver & Endstops/D5_SRBG: length 17.2
  Top w0.2: R211.2 v2(61.7,55.3) ; NT13.1 v2(49.5,51.7)
  In1.Cu w0.2: v2(49.5,51.7) 51.7,49.5 54.24,49.5 55.98,51.24 58.64,51.24 60,52.6 60,54.1 61.2,55.3 v2(61.7,55.3)
/Stepper Driver & Endstops/D5_SRBH: length 4.3
  Top w0.2: U7.9 58.8,57.8 60.5,56.1 C119.2 60.6,55.6 R210.1
/Stepper Driver & Endstops/D5_SRBL: length 3.5
  Top w0.2: R211.1 C119.1 60.07,57.1 59.3,57.87 U7.10
/Stepper Driver & Endstops/D5_SRBT: length 21.2
  Top w0.2: R210.2 60.9,54 v2(60.6,53.7)
  In1.Cu w0.2: v2(60.6,53.7) 60.6,52.56 58.79,50.75 56.07,50.75 54.42,49.1 51.13,49.1 49.14,51.09 44.71,51.09 v1(43.9,51.9)
  vias: v1(42.4,59.7) v1(43.1,53.5) v1(43.1,52.7) v1(43.2,59.7) v1(43.9,53.5) v1(43.9,52.7) v1(44,59.7)
/Stepper Driver & Endstops/D5_VCC: length 4.6
  Top w0.25: U7.29 58.3,67.9 58.44,68.04 59.04,68.04 60.2,69.2 R207.2
/Stepper Driver & Endstops/D5_VCP: length 2.2
  Top w0.25: C127.1 55.2,68.64 55.8,68.04 U7.34
CAN0_H: length 26.5
  Top w0.2: v1(116,106.3) 116,106.82 114.42,108.4 110.4,108.4 L11.3
  In1.Cu w0.2: v1(116,106.3) 127.9,106.3 129.06,107.47 129.06,108.24 J31.1
  Bottom w0.2: JP3.2 115.3,107 v1(116,106.3)
CAN0_L: length 24.9
  Top w0.2: v1(115.84,105.52) 115.84,104.84 114.9,103.9 110.3,103.9 L11.2
  In1.Cu w0.2: J31.2 129.86,107.33 128.05,105.52 v1(115.84,105.52)
  Bottom w0.2: v1(115.84,105.52) 115.23,104.9 JP6.2
CAN1_H: length 10.9
  Top w0.2: 109.62,99.28 110.01,98.89 115.29,98.89 v1(115.4,99)
  Bottom w0.2: J23.3 115.4,98.1 v1(115.4,99) 115.93,99.53 115.93,100.17 JP8.2
CAN1_L: length 14.8
  Top w0.2: L9.3 110.9,103.2 115.72,103.2 v1(116.8,102.12)
  Bottom w0.2: 115.71,102.12 v1(116.8,102.12) 116.8,101.5 119.58,98.72 J23.4
CANRX0: length 58.6
  Top w0.2: U11.31 107.77,62.28 v1(107.7,62.21) ; v1(99.63,104.79) 98.33,104.79 ; v1(105.37,93.59) 105.3,93.52 105.3,88.25 106.21,87.34 106.21,83.7 106.21,83 106.38,82.83 106.38,80.19 106.94,79.63 106.94,72.59 108.31,71.22 108.44,71.22 110.67,68.99 110.67,67.41 113.8,64.28 v1(113.8,63.1)
  In1.Cu w0.2: v1(107.7,62.21) 108.63,63.14 113.76,63.14 v1(113.8,63.1) ; v1(105.37,93.59) 105.37,101.96 102.55,104.79 v1(99.63,104.79)
CANRX1: length 48.1
  Top w0.2: U11.17 114.08,55.28 114.63,55.83 114.63,60.58 115.2,61.15 115.2,64.58 111.87,67.9 111.87,69.49 108.91,72.45 108.77,72.45 108.14,73.08 108.14,80.44 107.92,80.66 107.92,82.98 107.41,83.49 107.41,89.27 107.69,89.55 109.77,89.55 110.17,89.95 U13.4
CANTX0: length 65.2
  Top w0.2: v1(113.76,61.11) 114.4,61.76 114.4,64.25 111.07,67.57 111.07,69.16 108.58,71.65 108.44,71.65 107.34,72.75 107.34,80.11 107.12,80.33 107.12,82.65 106.61,83.16 106.61,87.54 105.76,88.39 105.76,93.13 106.15,93.52 v1(106.15,94.13) ; U15.1 98.38,108.56 v1(100,108.56) ; v1(107.19,60.09) 107.5,59.78 U11.26
  In1.Cu w0.2: v1(113.76,61.11) 113.27,61.6 111.24,61.6 109.73,60.09 v1(107.19,60.09) ; v1(106.15,94.13) 105.77,94.51 105.77,102.23 100,108 v1(100,108.56)
CANTX1: length 68.3
  Top w0.2: U11.92 88.69,55.28 89.13,54.84 91.27,54.84 91.62,55.19 v1(91.62,55.29) ; v1(114.03,56.13) 114.23,56.33 114.23,60.75 114.8,61.31 114.8,64.41 111.47,67.74 111.47,69.32 108.74,72.05 108.61,72.05 107.74,72.92 107.74,80.27 107.52,80.5 107.52,82.82 107.01,83.33 107.01,83.37 107.01,89.41 106.29,90.13 106.29,92.12 U13.1 106.23,92.06